# KiCad board BetetrDom.kicad_pcb
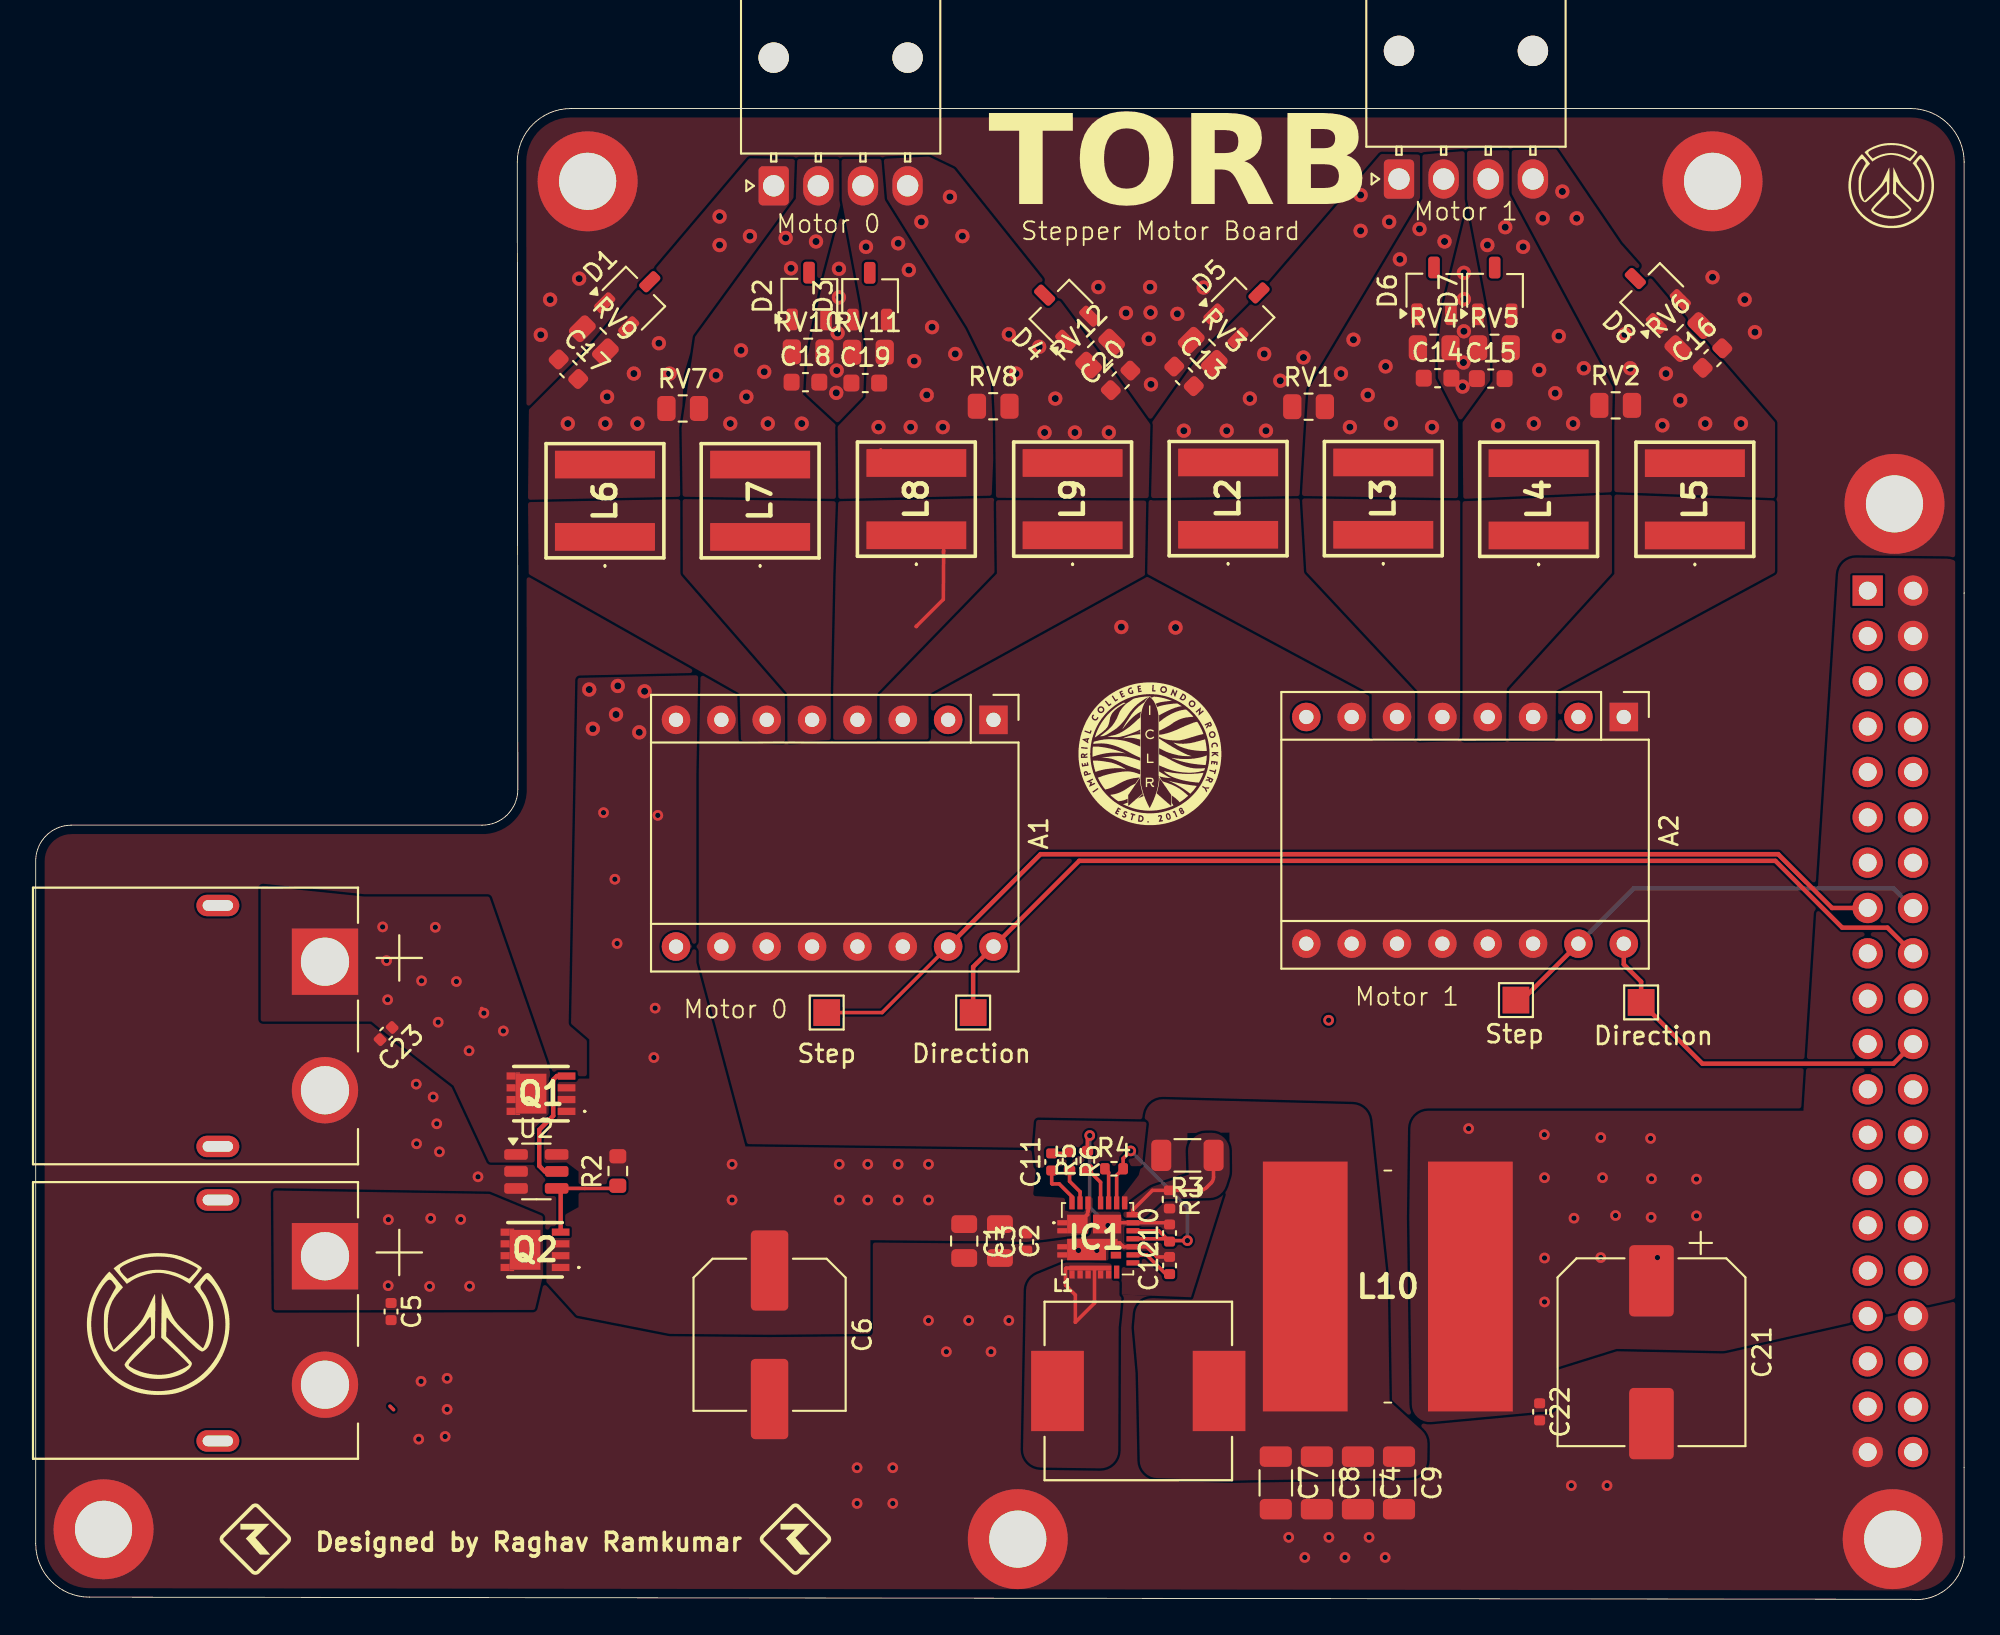
[diagram p0: board, top side]
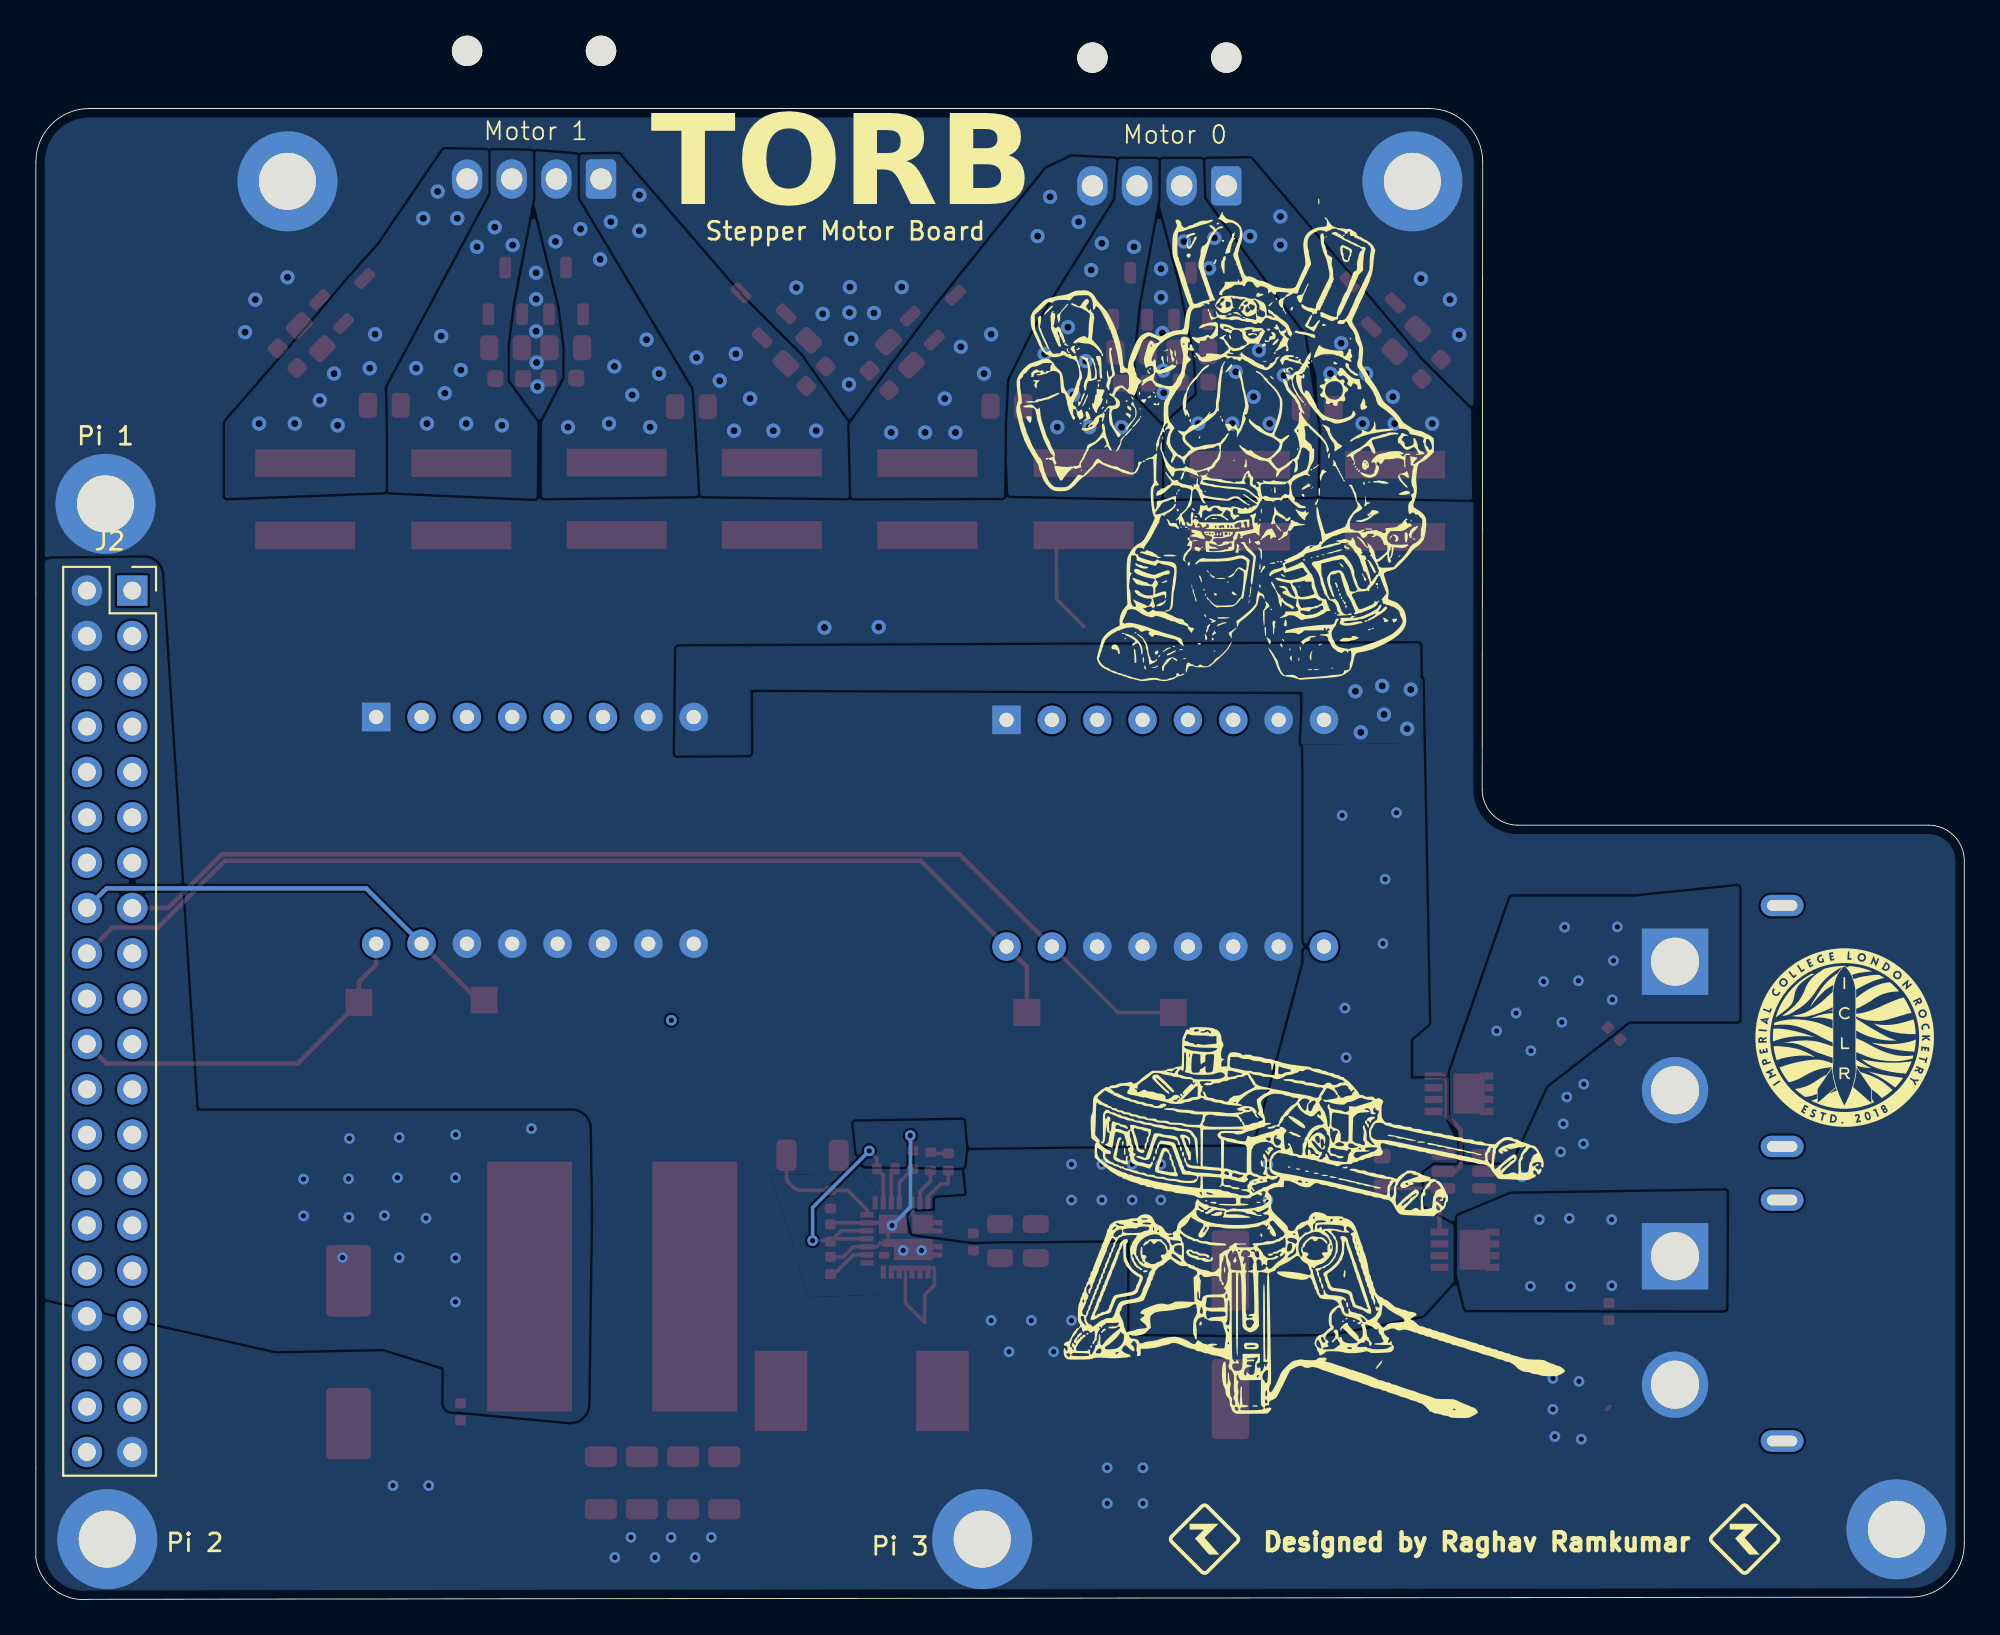
[diagram p1: board, bottom side, seen from below]

Outline 108.01 x 83.52 mm; copper layers: Top, In1.Cu, In2.Cu, Bottom. Coordinates in mm from the lower left corner of the outline.
Outline path: 108,2.37 108,80.52 arc(107.12,82.64) 105,83.52 29.97,83.52 arc(27.85,82.64) 26.97,80.52 27,45.37 arc(26.41,43.96) 25,43.37 2,43.37 arc(0.59,42.79) 0,41.37 0,3.12 arc(0.88,1) 3,0.12 105.01,0 arc(107,0.56) 108.01,2.37
Stack: Top 0.035mm / dielectric 0.2104mm FR4 er 4.5 / In1.Cu 0.0152mm / dielectric 1.065mm FR4 er 4.5 / In2.Cu 0.0152mm / dielectric 0.021mm FR4 er 4.5 / Bottom 0.035mm

## Placement (name value [footprint] x y rotation side)
A1  TMC2209BOB  [Pololu_Breakout-16_15.2x20.3mm]  53.64 49.27 270 top
A2  TMC2209BOB  [Pololu_Breakout-16_15.2x20.3mm]  88.94 49.43 270 top
C1  22uF  [C_0805_2012Metric]  52 20.07 270 top
C2  22uF  [C_0805_2012Metric]  54 20.07 270 top
C3  100nF  [C_0402_1005Metric]  55.5 20.02 90 top
C4  47uF  [C_1206_3216Metric]  74.05 6.52 270 top
C5  0.1uF  [C_0402_1005Metric]  19.9 16.12 270 top
C6  150uF  [C_Elec_8x10.2]  41.1 14.82 270 top
C7  47uF  [C_1206_3216Metric]  69.45 6.52 270 top
C8  47uF  [C_1206_3216Metric]  71.75 6.52 270 top
C9  47uF  [C_1206_3216Metric]  76.35 6.52 270 top
C10  1uF  [C_0402_1005Metric]  63.5 20.52 90 top
C11  0.1uF  [C_0402_1005Metric]  56.9 24.5 90 top
C12  2.2uF  [C_0402_1005Metric]  63.5 18.7 90 top
C13  470pF  [C_0603_1608Metric]  64.31 68.52 315 top
C14  470pF  [C_0603_1608Metric]  78.51 68.42 0 top
C15  470pF  [C_0603_1608Metric]  81.49 68.39 0 top
C16  470pF  [C_0603_1608Metric]  93.91 69.54 45 top
C17  470pF  [C_0603_1608Metric]  29.83 68.92 315 top
C18  470pF  [C_0603_1608Metric]  43.11 68.19 0 top
C19  470pF  [C_0603_1608Metric]  46.46 68.14 0 top
C20  470pF  [C_0603_1608Metric]  60.76 68.29 45 top
C21  100uF  [CP_Elec_10x10]  90.49 13.84 270 top
C22  100nF  [C_0402_1005Metric]  84.22 10.5 270 top
C23  0.1uF  [C_0402_1005Metric]  19.62 31.7 225 top
D1  D_Zener_Dual_CommonAnode_KKA  [TSOT-23]  33.46 72.89 45 top
D2  D_Zener_Dual_CommonAnode_KKA  [TSOT-23]  43.31 73.02 90 top
D3  D_Zener_Dual_CommonAnode_KKA  [TSOT-23]  46.71 73.01 90 top
D4  D_Zener_Dual_CommonAnode_KKA  [TSOT-23]  57.43 72.14 135 top
D5  D_Zener_Dual_CommonAnode_KKA  [TSOT-23]  67.58 72.27 45 top
D6  D_Zener_Dual_CommonAnode_KKA  [TSOT-23]  78.31 73.31 90 top
D7  D_Zener_Dual_CommonAnode_KKA  [TSOT-23]  81.71 73.3 90 top
D8  D_Zener_Dual_CommonAnode_KKA  [TSOT-23]  90.51 73.07 135 top
Direction  Dir2  [TestPoint_Pad_1.5x1.5mm]  89.91 33.44 0 top
Direction#2  Direction  [TestPoint_Pad_1.5x1.5mm]  52.5 32.87 0 top
G***  LOGO  [iclr_logo_estd2018_8mm]  62.4 47.37 0 top
G***#2  LOGO  [rae_logo_4mm]  42.55 3.37 0 top
G***#3  LOGO  [rae_logo_4mm]  12.3 3.37 0 top
G***#4  LOGO  [iclr_logo_estd2018_10mm]  6.7 31.47 180 bottom
G***#5  LOGO  [rae_logo_4mm]  12.3 3.37 180 bottom
G***#6  LOGO  [rae_logo_4mm]  42.55 3.37 180 bottom
H2  MountingHole_Pad  [MountingHole_3.2mm_M3_DIN965_Pad]  3.8 3.92 0 top
H3  MountingHole_Pad  [MountingHole_3.2mm_M3_DIN965_Pad]  30.91 79.44 0 top
H4  MountingHole_Pad  [MountingHole_3.2mm_M3_DIN965_Pad]  93.91 79.44 0 top
IC1  SiC437BED-T1-GE3  [SiC437BEDT1GE3]  59.47 20.2 0 top
J1  XT60PW-M  [AMASS_XT60PW-M]  10.2 15.62 90 top
J2  Raspberry_Pi_2_3  [PinSocket_2x20_P2.54mm_Vertical]  102.6 56.51 180 bottom
J4  XT60PW-M  [AMASS_XT60PW-M]  10.2 32.12 90 top
L1  3.3uH  [IND_SPM10065VT-3R3M-D]  61.75 11.67 0 top
L2  4.7uH  [MPLAL60504R7]  66.78 61.67 90 top
L3  4.7uH  [MPLAL60504R7]  75.47 61.67 90 top
L4  4.7uH  [MPLAL60504R7]  84.17 61.63 90 top
L5  4.7uH  [MPLAL60504R7]  92.92 61.63 90 top
L6  4.7uH  [MPLAL60504R7]  31.88 61.55 90 top
L7  4.7uH  [MPLAL60504R7]  40.57 61.55 90 top
L8  4.7uH  [MPLAL60504R7]  49.32 61.64 90 top
L9  4.7uH  [MPLAL60504R7]  58.07 61.64 90 top
L10  100uH  [SDR1307A101K]  75.72 17.52 0 top
Pi 1  MountingHole_Pad  [MountingHole_3.2mm_M3_DIN965_Pad]  104.1 61.37 0 top
Pi 2  MountingHole_Pad  [MountingHole_3.2mm_M3_DIN965_Pad]  104 3.37 0 top
Pi 3  MountingHole_Pad  [MountingHole_3.2mm_M3_DIN965_Pad]  55 3.37 0 top
Q1  SQS141ELNW-T1_GE3  [SQS850ENT1_GE3]  28.3 28.33 180 top
Q2  SQS141ELNW-T1_GE3  [SQS850ENT1_GE3]  27.97 19.58 180 top
R1  10kΩ  [R_0402_1005Metric]  63.5 22.4 270 top
R2  470k  [R_0603_1608Metric]  32.6 24 90 top
R3  73.2kΩ  [R_1206_3216Metric]  64.5 24.87 180 top
R4  100kΩ  [R_0402_1005Metric]  60.39 24.12 0 top
R5  100kΩ  [R_0402_1005Metric]  58.9 24.61 90 top
R6  2.2Ω  [R_0402_1005Metric]  57.9 24.53 270 top
REF**  -  [torb]  40.63 64.66 0 top
REF**#2  -  [turret]  38.5 21.57 0 top
RV1  27V-c  [R_0805_2012Metric]  71.28 66.82 0 top
RV2  27V-c  [R_0805_2012Metric]  88.49 66.89 0 top
RV3  27V-c  [R_0805_2012Metric]  65.36 69.89 315 top
RV4  27V-c  [R_0805_2012Metric]  78.32 70.12 0 top
RV5  27V-c  [R_0805_2012Metric]  81.7 70.12 0 top
RV6  27V-c  [R_0805_2012Metric]  92.61 70.72 45 top
RV7  27V-c  [R_0805_2012Metric]  36.23 66.72 0 top
RV8  27V-c  [R_0805_2012Metric]  53.62 66.84 0 top
RV9  27V-c  [R_0805_2012Metric]  31.26 70.54 315 top
RV10  27V-c  [R_0805_2012Metric]  43.26 69.89 0 top
RV11  27V-c  [R_0805_2012Metric]  46.64 69.87 0 top
RV12  27V-c  [R_0805_2012Metric]  59.61 69.79 45 top
Step  Step  [TestPoint_Pad_1.5x1.5mm]  44.3 32.87 0 top
Step   Step2  [TestPoint_Pad_1.5x1.5mm]  82.9 33.57 0 top
StepperConnector1  Screw_Terminal_01x04  [Molex_Nano-Fit_105313-xx04_1x04_P2.50mm_Horizontal]  41.33 79.19 90 top
StepperConnector2  Screw_Terminal_01x04  [Molex_Nano-Fit_105313-xx04_1x04_P2.50mm_Horizontal]  76.35 79.57 90 top
U2  LTC4412xS6  [TSOT-23-6]  28.04 23.97 0 top

## Library data of the parts
A1 A2 = -: Datasheet: https://www.pololu.com/product/2980/pictures; ki_fp_filters: Pololu*Breakout*15.2x20.3mm*
C1-C5 C7-C23 = -: Description: Unpolarized capacitor, small symbol; ki_fp_filters: C_*
C6 = -: ki_fp_filters: C_*
D1-D8 = -: Description: Dual Zener diode, common anode on pin 3; ki_fp_filters: SOT* SC*
Direction Direction#2 Step Step  = -: ki_fp_filters: Pin* Test*
H2-H4 Pi 1-Pi 3 = -: ki_fp_filters: MountingHole*Pad*
IC1 = -: Datasheet: https://componentsearchengine.com/Datasheets/1/SiC437BED-T1-GE3.pdf; Description: Switching Voltage Regulators 3-28V 12A 50uA microBUCK MLP44-24; Height: 0.8; Manufacturer_Name: Vishay; Mouser Part Number: 78-SIC437BED-T1-GE3; Mouser Price/Stock: https://www.mouser.co.uk/ProductDetail/Vishay-Siliconix/SiC437BED-T1-GE3?qs=chTDxNqvsyntp1SKlnHzGA%3D%3D; Arrow Part Number: SIC437BED-T1-GE3; Arrow Price/Stock: https://www.arrow.com/en/products/sic437bed-t1-ge3/vishay
J1 J4 = -: STANDARD: Manufacturer recommendations; MANUFACTURER: AMASS; PARTREV: V1.2; MAXIMUM_PACKAGE_HEIGHT: 8.4 mm
J2 = -: Datasheet: https://www.raspberrypi.org/documentation/hardware/raspberrypi/schematics/rpi_SCH_3bplus_1p0_reduced.pdf; ki_fp_filters: PinHeader*2x20*P2.54mm*Vertical* PinSocket*2x20*P2.54mm*Vertical*
L1-L10 = -: Description: Inductor; ki_fp_filters: Choke_* *Coil* Inductor_* L_*
Q1 Q2 = -: Datasheet: https://www.mouser.it/ProductDetail/Vishay-Semiconductors/SQS141ELNW-T1_GE3?qs=t7xnP681wgUUJh1P9XVDHQ%3D%3D; Description: Automotive P-Channel 40 V (D-S) 175 C MOSFET; Height: 1.12; Manufacturer_Name: Vishay; Mouser Part Number: 78-SQS141ELNW-T1_GE3; Mouser Price/Stock: https://www.mouser.co.uk/ProductDetail/Vishay-Semiconductors/SQS141ELNW-T1_GE3?qs=t7xnP681wgUUJh1P9XVDHQ%3D%3D; Arrow Price/Stock: https://www.arrow.com/en/products/sqs141elnw-t1-ge3/vishay?region=nac
R1 R3-R6 = -: Description: Resistor, small symbol; ki_fp_filters: R_*
R2 = -: ki_fp_filters: R_*
RV1-RV12 = -: Description: Voltage dependent resistor; Sim.Name: kicad_builtin_varistor; Sim.Device: SUBCKT; Sim.Pins: 1=A 2=B; Sim.Params: threshold=1k; ki_fp_filters: RV_* Varistor*
StepperConnector1 StepperConnector2 = -: ki_fp_filters: TerminalBlock*:*
U2 = -: Datasheet: https://www.analog.com/media/en/technical-documentation/data-sheets/4412fb.pdf; ki_fp_filters: TSOT?23*

## Footprints (pads in the part's own frame, mm; a bottom-side part is the same pattern mirrored in y, then rotated)
AMASS_XT60PW-M
  rect 3.716x3.716 hole 2.7: 1(3.6,-6)
  round 3.716 hole 2.7: 2(-3.6,-6)
  oval 1.2x2.4 hole 0.6x1.7: S1(6.75,0) S2(-6.75,0)
C_0402_1005Metric
  rrect 0.56x0.62 smd: 1(-0.48,0) 2(0.48,0)
C_0603_1608Metric
  rrect 0.9x0.95 smd: 1(-0.775,0) 2(0.775,0)
C_0805_2012Metric
  rrect 1x1.45 smd: 1(-0.95,0) 2(0.95,0)
C_1206_3216Metric
  rrect 1.15x1.8 smd: 1(-1.475,0) 2(1.475,0)
C_Elec_8x10.2
  rrect 4.5x2.1 smd: 1(-3.6,0) 2(3.6,0)
CP_Elec_10x10
  rrect 4x2.5 smd: 1(-4,0) 2(4,0)
IND_SPM10065VT-3R3M-D
  rect 2.95x4.5 smd: 1(-4.525,0) 2(4.525,0)
Molex_Nano-Fit_105313-xx04_1x04_P2.50mm_Horizontal
  round 1.7 hole 1.7 unplated: (7.18,0) (7.18,-7.5)
  rrect 2.2x1.7 hole 1.2: 1(0,0)
  oval 2.2x1.7 hole 1.2: 2(0,-2.5) 3(0,-5) 4(0,-7.5)
MountingHole_3.2mm_M3_DIN965_Pad
  round 5.6 hole 3.2: 1(0,0)
MPLAL60504R7
  rect 1.55x5.6 smd: 1(-2.025,0) 2(2.025,0)
PinSocket_2x20_P2.54mm_Vertical
  rect 1.7x1.7 hole 1: 1(0,0)
  oval 1.7x1.7 hole 1: 2(-2.54,0) 3(0,-2.54) 4(-2.54,-2.54) 5(0,-5.08) 6(-2.54,-5.08) 7(0,-7.62) 8(-2.54,-7.62) 9(0,-10.16) 10(-2.54,-10.16) 11(0,-12.7) 12(-2.54,-12.7) 13(0,-15.24) 14(-2.54,-15.24) 15(0,-17.78) 16(-2.54,-17.78) 17(0,-20.32) 18(-2.54,-20.32) 19(0,-22.86) 20(-2.54,-22.86) 21(0,-25.4) 22(-2.54,-25.4) 23(0,-27.94) 24(-2.54,-27.94) 25(0,-30.48) 26(-2.54,-30.48) 27(0,-33.02) 28(-2.54,-33.02) 29(0,-35.56) 30(-2.54,-35.56) 31(0,-38.1) 32(-2.54,-38.1) 33(0,-40.64) 34(-2.54,-40.64) 35(0,-43.18) 36(-2.54,-43.18) 37(0,-45.72) 38(-2.54,-45.72) 39(0,-48.26) 40(-2.54,-48.26)
Pololu_Breakout-16_15.2x20.3mm
  rect 1.6x1.6 hole 0.8: 1(0,0)
  oval 1.6x1.6 hole 0.8: 2(0,-2.54) 3(0,-5.08) 4(0,-7.62) 5(0,-10.16) 6(0,-12.7) 7(0,-15.24) 8(0,-17.78) 9(12.7,-17.78) 10(12.7,-15.24) 11(12.7,-12.7) 12(12.7,-10.16) 13(12.7,-7.62) 14(12.7,-5.08) 15(12.7,-2.54) 16(12.7,0)
R_0402_1005Metric
  rrect 0.54x0.64 smd: 1(-0.51,0) 2(0.51,0)
R_0603_1608Metric
  rrect 0.8x0.95 smd: 1(-0.825,0) 2(0.825,0)
R_0805_2012Metric
  rrect 1.025x1.4 smd: 1(-0.912,0) 2(0.912,0)
R_1206_3216Metric
  rrect 1.125x1.75 smd: 1(-1.462,0) 2(1.462,0)
SDR1307A101K
  rect 4.75x14 smd: 1(-4.625,0) 2(4.625,0)
SiC437BEDT1GE3
  rect 0.55x0.3 smd: 1(-1.981,0.894) 2(-1.981,0.444) 3(-1.981,-0.456) 4(-1.981,-0.906)
  rect 0.3x0.45 smd: 5(-1.431,-2.006) 6(-0.981,-2.006) 7(-0.531,-2.006) 8(0.169,-2.006) 9(0.619,-2.006)
  rect 0.3x0.725 smd: 10(1.069,-1.869) 18(1.519,2.006) 19(1.069,2.006) 20(0.619,2.006) 21(0.169,2.006) 22(-0.531,2.006) 23(-0.981,2.006) 24(-1.431,2.006)
  rect 0.725x0.3 smd: 11(1.981,-1.356) 12(1.981,-0.906) 13(1.981,-0.456) 14(1.981,-0.006) 15(1.981,0.444) 16(1.981,0.894) 17(1.981,1.344)
  rect 1.575x1.05 smd: 25(0.531,0.819)
  rect 1.15x1.05 smd: 26(-1.131,0.819)
  rect 2.175x1.2 smd: 27(-0.619,-0.606)
  rect 0.58x0.38 smd: 28(1.029,-0.921)
  rect 0.65x0.455 smd: 29(0.794,-0.234)
  rect 2.35x0.275 smd: 30(-0.406,-1.644)
SQS850ENT1_GE3
  rect 0.99x0.405 smd: 1(-1.435,0.99) 2(-1.435,0.33) 3(-1.435,-0.33) 4(-1.435,-0.99)
  rect 0.51x0.405 smd: 5(1.675,-0.99) 6(1.675,-0.33) 7(1.675,0.33) 8(1.675,0.99)
  rect 1.725x2.235 smd: 9(0.557,0)
  rect 0.25x0.077 smd: 10(1.295,-1.156) 11(1.295,1.156)
TestPoint_Pad_1.5x1.5mm
  rect 1.5x1.5 smd: 1(0,0)
TSOT-23
  rrect 1.22x0.65 smd: 1(-1.31,0.95) 2(-1.31,-0.95) 3(1.31,0)
TSOT-23-6
  rrect 1.325x0.6 smd: 1(-1.137,0.95) 2(-1.137,0) 3(-1.137,-0.95) 4(1.137,-0.95) 5(1.137,0) 6(1.137,0.95)

## Nets
+3V3: A1.2 A2.2 J2.1 J2.17
/power/VDD: C10.1 IC1.14 IC1.15 IC1.19 R4.2
GND: A1.1 A1.7 A1.9 A1.10 A1.11 A1.12 A1.13 A1.14 A2.1 A2.7 A2.9 A2.10 A2.11 A2.12 A2.13 A2.14 C1.2 C2.2 C3.1 C4.2 C5.2 C6.2 C7.2 C8.2 C9.2 C10.2 C12.2 C13.1 C14.2 C15.1 C16.2 C17.1 C18.2 C19.1 C20.2 C21.2 C22.2 C23.2 D1.1 D2.2 D3.1 D4.2 D5.1 D6.2 D7.1 D8.2 H2.1 H3.1 H4.1 IC1.3 IC1.4 IC1.13 IC1.16 IC1.25 IC1.27 IC1.29 J1.2 J2.6 J2.9 J2.14 J2.20 J2.25 J2.30 J2.34 J2.39 J4.2 Pi 1.1 Pi 2.1 Pi 3.1 R1.2 R5.2 RV3.1 RV4.2 RV5.1 RV6.2 RV9.1 RV10.2 RV11.1 RV12.2 U2.2 U2.3
/Dir1: A1.16 Direction#2.1 J2.18
/Dir2: A2.16 Direction.1 J2.22
/power/+BATTV: C5.1 J1.1 Q2.5 Q2.6 Q2.7 Q2.8 Q2.9 Q2.10 Q2.11
/power/+V_BUCK: C21.1 C22.1 J2.2 J2.4 L10.2
/power/BOOT: IC1.23 R6.2
/power/msft1: Q1.4 U2.5
/power/msft2: Q2.4 R2.1 U2.4
/power/PHASE: C11.1 IC1.24
/power/SW: IC1.5 IC1.6 IC1.7 IC1.8 IC1.9 IC1.30 L1.1
/power/V_BASE: C23.1 J4.1 Q1.5 Q1.6 Q1.7 Q1.8 Q1.9 Q1.10 Q1.11 U2.1
/power/V_DRV: C12.1 IC1.12
/power/V_OUT: C4.1 C7.1 C8.1 C9.1 IC1.18 L1.2 L10.1 R3.2
/Step1: A1.15 J2.15 Step.1
/Step2: A2.15 J2.16 Step .1
/StepperA/1A: A1.5 L7.1
/StepperA/1B: A1.4 L8.1
/StepperA/2A: A1.6 L6.1
/StepperA/2B: A1.3 L9.1
/StepperA/MA1: C18.1 D2.1 L7.2 RV7.2 RV10.1 StepperConnector1.2
/StepperA/MA2: C17.2 D1.2 L6.2 RV7.1 RV9.2 StepperConnector1.1
/StepperA/MB1: C19.2 D3.2 L8.2 RV8.1 RV11.2 StepperConnector1.3
/StepperA/MB2: C20.1 D4.1 L9.2 RV8.2 RV12.1 StepperConnector1.4
/StepperB/1A: A2.5 L3.1
/StepperB/1B: A2.4 L4.1
/StepperB/2A: A2.6 L2.1
/StepperB/2B: A2.3 L5.1
/StepperB/MA1: C14.1 D6.1 L3.2 RV1.2 RV4.1 StepperConnector2.2
/StepperB/MA2: C13.2 D5.2 L2.2 RV1.1 RV3.2 StepperConnector2.1
/StepperB/MB1: C15.2 D7.2 L4.2 RV2.1 RV5.2 StepperConnector2.3
/StepperB/MB2: C16.1 D8.1 L5.2 RV2.2 RV6.1 StepperConnector2.4
VMAIN: A1.8 A2.8 C1.1 C2.1 C3.2 C6.1 IC1.1 IC1.2 IC1.22 IC1.26 Q1.1 Q1.2 Q1.3 Q2.1 Q2.2 Q2.3 R2.2 U2.6
Net-(C11-Pad2): C11.2 R6.1
Net-(IC1-_MODE_1): IC1.21 R5.1
Net-(IC1-FB): IC1.17 R1.1 R3.1
Net-(IC1-MODE_2): IC1.20 R4.1

Pads without a net: D1 3; D2 3; D3 3; D4 3; D5 3; D6 3; D7 3; D8 3; IC1 10 11 28; J1 S1 S2; J2 3 5 7 8 10 11 12 13 19 21 23 24 26 27 28 29 31 32 33 35 36 37 38 40; J4 S1 S2

## Via types
v1: diameter 0.6, hole 0.3, Top to Bottom, 83 vias
v2: diameter 0.8, hole 0.4, Top to Bottom, 112 vias

## Routing (per net, layer and track width the routed paths; a pad name or vN(x,y) marks a point on that pad's centre or on a via; arc(x,y) is an arc through that point)
+3V3:
  vias: v1(72.41,32.44)
/power/VDD: length 15
  Top w0.2: IC1.14 63.34,20.2 C10.1 ; C10.1 63.56,20.1 v1(64.5,20.1) ; C10.1 62.89,20.65 IC1.15 ; v1(61.33,25.12) 60.9,24.7 R4.2 60.54,23.76 IC1.19
  Bottom w0.2: v1(61.33,25.12) 64.5,21.95 v1(64.5,20.1)
GND: length 16.3
  Top w0.2: 61.45,21.1 63.41,21.1 C10.2 63.5,21.05 ; 60.26,19.97 60.26,19.86 ; 60.26,19.97 60.7,19.97 60.92,19.75 IC1.13 62.23,19.75 62.79,19.18 C12.2 ; 60.26,19.97 60.26,20.76 60.08,20.95 60.06,20.95 v1(60.05,20.94) 60.05,20.95 59.97,20.95 59.97,21.05 IC1.25 60.58,21.02 60.65,21.1 61.05,21.1 ; R5.2 58.9,25.85 v1(59.03,25.98) ; J1.2 17.42,10.8
  Bottom w0.2: v1(60.05,20.94) 59.02,21.97 59.02,25.97 v1(59.03,25.98)
  vias: v1(21.31,28.86) v1(21.33,25.52) v1(21.45,8.97) v1(21.58,12.21) v1(22.26,28.14) v1(22.46,26.64) v1(22.61,25.07) v1(22.93,9.12) v1(23.04,12.38) v1(23.04,10.64) v1(24.77,23.67) v1(46,7.37) v1(46,5.37) v1(48,7.37) v1(48,5.37) v1(50,15.62) v1(51,13.87) v1(52.25,15.62) v1(53.5,13.87) v1(54.5,15.62) v1(58.4,19.55) v1(59.42,19.55) v1(70.17,3.47) v1(71.08,2.35) v1(72.42,3.47) v1(73.33,2.35) v1(74.67,3.47) v1(75.58,2.35) v1(86,6.37) v1(88,6.37) v2(28.28,70.84) v2(28.81,72.82) v2(30.44,73.99) v2(44.83,67.59) v2(44.91,70.94) v2(44.86,68.84) v2(44.98,74.54) v2(44.98,72.94) v2(59.51,73.52) v2(60.8,54.47) v2(61.06,72.07) v2(62.33,70.62) v2(62.41,73.52) v2(62.44,72.09) v2(62.46,68.07) v2(63.83,54.44) v2(63.94,72.02) v2(65.41,73.49) v2(79.91,67.94) v2(79.99,74.32) v2(79.99,72.84) v2(79.99,71.04) v2(79.96,69.29) v2(93.91,74.07) v2(95.71,72.82) v2(96.28,70.99)
(no net): length 0.3
  Top w0.2: 19.84,10.82 20.04,10.62
/Dir1: length 60.5
  Top w0.2: 53.15,36.08 A1.16
  Top w0.25: Direction#2.1 52.5,35.43 A1.16 58.44,41.37 97.43,41.37 101.17,37.63 103.7,37.63 J2.18
/Dir2: length 20.8
  Top w0.25: A2.16 88.94,35.57 89.91,34.6 Direction.1 93.34,30.01 104.04,30.01 J2.22
/power/+BATTV:
  vias: v1(19.74,17.57) v1(19.75,21.27) v1(22.12,21.34) v1(22.06,17.53) v1(23.8,21.28) v1(24.3,17.54)
/power/+V_BUCK:
  vias: v1(80.25,26.37) v1(84.49,26.03) v1(84.5,23.62) v1(84.5,19.12) v1(84.5,16.66) v1(86.15,21.35) v1(87.65,25.87) v1(87.65,19.15) v1(87.75,23.62) v1(88.48,21.5) v1(90.44,25.82) v1(90.49,23.56) v1(90.47,21.4) v1(90.82,19.15) v1(93.01,23.54) v1(93.01,21.48)
/power/BOOT: length 2.1
  Top w0.2: R6.2 57.9,23.42 58.49,22.83 IC1.23
/power/msft1: length 7.1
  Top w0.25: Q1.4 29.19,29.32 28.98,29.11 28.98,27.09 28.2,26.31 28.2,24.28 28.51,23.97 U2.5
/power/msft2: length 6
  Top w0.2: U2.4 32.45,23.02 R2.1
  Top w0.25: Q2.4 29.4,22.8 U2.4
/power/PHASE: length 2.5
  Top w0.2: IC1.24 58.04,22.56 57.33,23.27 56.92,23.27 56.9,23.3 C11.1
/power/SW: length 8.3
  Top w0.2: 58.22,17.05 58.22,15.52 59.3,16.6 59.3,18.55 59.29,18.56 57.71,18.56 57.67,18.52 57.67,17.6 58.22,17.05
/power/V_BASE: length 0.9
  Top w0.2: 26.23,31.84 v1(26.19,31.84) 26.19,31.88 ; 23.46,34.61 v1(23.56,34.61) 23.56,34.51 ; 25.23,32.84 v1(25.1,32.84) 25.1,32.97 24.97,33.1 25,33.07 ; 19.59,35.72 v1(19.65,35.78) 19.71,35.72
  vias: v1(19.43,37.67) v1(19.71,33.59) v1(21.61,34.65) v1(22.38,37.65) v1(22.54,32.33) v1(24.27,30.73)
/power/V_DRV: length 2.5
  Top w0.2: IC1.12 62.22,19.3 63.29,18.22 C12.1
/Step1: length 114
  Top w0.2: Step.1 47.4,32.87 A1.15 56.25,41.72 97.58,41.72 99.1,40.19
  Top w0.25: A1.15 56.28,41.75 97.59,41.75 100.6,38.73 J2.15
/Step2: length 25.3
  Top w0.25: A2.15 83.24,33.57 Step .1
  Bottom w0.25: J2.16 104.04,39.83 89.5,39.83 A2.15
/StepperA/1B: length 5
  Top w0.2: 50.83,58.65 50.85,58.77 50.83,56.02 49.32,54.51 49.32,54.5 49.31,54.5
/StepperA/MA1:
  vias: v2(38.1,68.57) v2(38.9,65.87) v2(39.5,69.97) v2(39.8,67.37) v2(40.8,68.77) v2(41,65.87) v2(42,76.27) v2(42.3,74.57) v2(42.9,65.87) v2(43.7,76.07)
/StepperA/MA2:
  vias: v2(29.8,65.87) v2(31.9,65.87) v2(32,67.37) v2(33.5,68.67) v2(33.7,65.87) v2(34.9,70.37) v2(35.5,68.67) v2(38.3,77.47) v2(38.3,75.87) v2(40,76.37)
/StepperA/MB1: length 0.1
  Top w0.2: 47.32,64.4 47.26,64.34
  vias: v2(46.5,75.77) v2(47.2,65.67) v2(48.3,75.97) v2(48.9,74.47) v2(49,65.67) v2(49.2,69.37) v2(49.9,67.47) v2(50.2,71.27) v2(50.8,65.67) v2(51.5,69.77)
/StepperA/MB2:
  vias: v2(49.6,77.17) v2(51.2,78.57) v2(51.9,76.37) v2(54.5,70.87) v2(54.9,68.67) v2(56.2,70.17) v2(56.5,65.37) v2(57.1,67.27) v2(58.2,65.37) v2(60.1,65.37)
/StepperB/MA1:
  vias: v2(73.1,68.67) v2(73.6,65.67) v2(73.8,70.57) v2(74.6,67.47) v2(75.6,69.07) v2(75.9,65.87) v2(76.4,75.07) v2(77.5,76.77) v2(78.2,65.67) v2(78.9,76.07)
/StepperB/MA2:
  vias: v2(64.3,65.47) v2(66.7,65.47) v2(68,67.27) v2(68.8,69.77) v2(68.9,65.47) v2(69.7,68.27) v2(71,69.57) v2(74.2,78.67) v2(74.2,76.67) v2(75.8,77.17)
/StepperB/MB1:
  vias: v2(81.3,75.87) v2(81.9,65.77) v2(82.3,76.87) v2(83.3,75.77) v2(83.9,65.87) v2(84.2,68.87) v2(85.1,67.57) v2(85.3,70.77) v2(86.1,65.87) v2(86.7,68.97)
/StepperB/MB2:
  vias: v2(84.4,77.37) v2(85.5,78.87) v2(86.3,77.37) v2(89,70.87) v2(89.3,68.97) v2(91.1,65.77) v2(91.3,68.67) v2(92.1,67.17) v2(93.5,65.87) v2(95.5,65.87)
VMAIN: length 1.6
  Top w0.2: 32.5,24.92 R2.2 ; IC1.26 58.35,21.02 58.87,21.55 58.91,21.55 58.91,21.71 58.94,21.73 IC1.22
  vias: v1(31.8,44.07) v1(32.44,40.34) v1(32.56,36.74) v1(34.62,30.35) v1(34.69,33.12) v1(34.84,43.92) v1(39,24.37) v1(39,22.37) v1(45,24.37) v1(45,22.37) v1(46.6,24.37) v1(46.6,22.37) v1(48.3,24.37) v1(48.3,22.37) v1(50,24.37) v1(50,22.37) v2(31,50.97) v2(31.2,48.77) v2(32.5,49.57) v2(32.6,51.17) v2(33.8,48.57) v2(34.1,50.87)
Net-(C11-Pad2): length 1
  Top w0.2: C11.2 57.84,24.98 R6.1
Net-(IC1-_MODE_1): length 2.2
  Top w0.2: IC1.21 59.64,23.36 R5.1
Net-(IC1-FB): length 6.8
  Top w0.2: R3.1 65.96,23.65 arc(65.93,23.47) 65.83,23.33 65.58,23.07 arc(65.4,22.95) 65.19,22.91 R1.1 62.54,22.91 61.45,21.82 IC1.17
Net-(IC1-MODE_2): length 2
  Top w0.2: R4.1 60.09,23.91 IC1.20

## Copper pours and planes (outline as drawn; the poured copper is in the pictures)
+3V3 on In2.Cu: 161,23.37 161,96.37 26.8,96.27 27,45.37 25,43.37 0,43.37 0,-1.63 117,-0.63
GND on Top, Bottom: 64.7,16.92 66.88,23.82 64.58,23.8 63.2,22.42 61.95,21.22 60.88,21.4 60.78,22.67 61.65,23.82 62.22,26 56.3,25.65 56,22.72 60.88,22.42 60.83,17.07
GND on Top, Bottom: -8.7,102.77 -8.45,-3.23 158.8,-1.82 158.05,101.18 -8.5,102.12
GND on In1.Cu: 159.81,95.61 26.68,95.95 27,45.37 25,43.37 0,43.37 -0.25,-0.38 159.88,0.28
(no net) on Top, Bottom: 55.9,25.22 56.04,26.86 62.22,26.76 61.95,24.27 56.02,24.17
/power/+BATTV on Top, Bottom: 13.3,22.9 25.41,22.71 28.4,21.47 28.42,18.17 27.95,16.21 13.34,16.19 13.3,22.86
/power/+V_BUCK on Top, Bottom: 99,27.37 77,27.37 76.92,21.37 77.08,9.83 84.22,10.5 85.18,10.52 85.15,12.97 88.53,14.03 94.55,13.9 109.5,17.27 109.5,58.27 101,58.37
/power/SW on Top: 57.72,18.9 60.83,18.82 60.83,17.07 60.72,15.95 60.65,15.22 60.62,7.32 55.28,7.4 55.47,17.97
/power/V_BASE on Top, Bottom: 18.4,39.37 25.4,39.37 28.8,29.57 28.8,27.17 28,25.37 28,24.47 25.4,24.47 23.4,28.77 19.62,31.7 18.8,32.37 12.6,32.37 12.6,39.97
/power/V_OUT on Top: 64.5,24.87 64.58,23.8 62.47,23.1 61.22,21.9 60.78,21.85 60.78,22.67 61.65,23.82 62.26,28.04 74.64,27.72 75.72,17.52 75.83,11.1 77.95,9.17 77.92,6.82 68.08,6.67 67.03,6.65 61.85,6.82 61.75,11.67 61.72,12.7 61.5,15.22 61.65,16.85 64.7,16.92 66.88,23.82 66.85,26.15 64.5,26.12
/StepperA/1A on Top: 42.1,48.01 44.66,48.15 44.66,50.75 44.8,57.39 44.95,61.65 36.23,61.77 36.24,57.46 42.09,50.74
/StepperA/1B on Top: 44.8,57.39 44.66,50.75 44.66,48.15 47.26,48.16 47.26,50.69 53.83,57.47 53.78,61.71 44.95,61.65
/StepperA/2A on Top: 39.5,48.09 39.42,50.74 27.61,57.43 27.57,61.6 36.23,61.77 36.24,57.46 42.09,50.74 42.1,48.01
/StepperA/2B on Top: 47.26,48.16 50.01,48.17 50,50.69 62.25,57.44 62.33,61.69 53.78,61.71 53.83,57.47 47.26,50.69
/StepperA/MA1 on Top, Bottom: 36.17,65.63 36.23,61.77 44.95,61.65 44.91,65.71 42.97,67.5 43.08,69.59 43.96,73.94 45.14,78.4 45.13,80.69 42.65,80.69 42.57,78.47 36.93,70.74
/StepperA/MA2 on Top, Bottom: 30.41,69.44 27.62,66.65 27.57,61.6 36.23,61.77 36.17,65.63 36.29,68.58 36.93,70.74 42.57,78.47 42.65,80.69 39.96,80.73 34.41,74.19
/StepperA/MB1 on Top, Bottom: 46.47,67.33 44.91,65.71 44.95,61.65 53.54,61.83 53.71,65.83 53.61,68.34 52.15,71.2 47.68,78.45 47.49,80.7 45.13,80.69 45.14,78.4 46.23,72.52 46.56,69.44
/StepperA/MB2 on Top, Bottom: 53.61,68.34 53.73,65.88 53.78,61.71 62.33,61.69 62.43,65.82 60.21,68.94 57.46,72.62 51.43,80.15 50.01,80.83 47.49,80.7 47.68,78.45 52.17,71.25
/StepperB/1A on Top: 77.38,48.13 79.99,48.23 80.01,50.96 79.95,61.65 70.91,61.81 71.16,57.56 77.38,50.9
/StepperB/1B on Top: 79.89,48.13 82.48,48.16 82.51,50.96 88.41,57.44 88.41,62.03 79.91,61.55 79.91,50.86
/StepperB/2A on Top: 74.89,48.21 77.49,48.19 77.48,50.9 71.16,57.56 70.91,61.81 62.33,61.69 62.25,57.44 74.82,50.69 74.82,48.17 74.88,48.16
/StepperB/2B on Top: 82.48,48.16 85.11,48.19 85.14,50.89 97.41,57.53 97.41,61.69 88.41,62.03 88.41,57.44 82.51,50.96
/StepperB/MA1 on Top, Bottom: 70.91,61.81 79.66,61.69 79.66,65.94 78.4,68.39 78.38,70.09 78.66,72.37 80.16,78.44 80.16,81.15 77.66,80.94 77.66,78.47 71.28,67.79 71.16,65.94
/StepperB/MA2 on Top, Bottom: 62.33,61.69 70.91,61.81 71.16,65.94 71.28,67.79 77.66,78.47 77.66,80.94 75.34,80.97 68.41,72.94 65.16,69.69 62.43,65.82 62.41,63.19
/StepperB/MB1 on Top, Bottom: 79.95,61.65 88.41,62.03 88.41,65.69 88.46,67.94 82.66,78.75 82.66,81.19 80.16,81.15 80.16,78.44 81.31,72.44 81.59,70.24 81.59,68.24 79.91,65.94
/StepperB/MB2 on Top, Bottom: 88.41,62.03 97.41,61.69 97.41,65.94 93.16,70.84 90.56,73.92 88.76,75.94 85.16,81.24 82.66,81.19 82.66,78.75 88.46,67.94 88.41,65.69
VMAIN on Top, Bottom: 39.75,25.37 37,35.67 37,46.27 37.1,51.77 30.35,51.62 29.98,32.24 31,31.37 31,29.17 29,29.17 29,26.77 28.4,25.66 28.4,24.44 29.72,24.48 30.4,23.97 30.4,21.97 28.6,20.97 28.6,17.77 30.31,15.89 35.5,14.87 41.1,14.82 46.75,14.87 46.75,20.12 52,20.07 54,20.07 55.5,20.02 58.95,20.47 59.2,21.67 59.2,22.58 58.7,22.6 58.7,21.71 57.65,21.77 57.65,22.67 56,22.72 56.63,25.15
VMAIN on Bottom: 37.16,47.87 30.41,47.99 30.47,53.56 72.13,53.38 72.21,47.27 67.95,47.3 67.97,50.96 37,50.84
Net-(IC1-FB) on Top: 60.78,21.85 60.88,21.4 61.95,21.22 63.2,22.42 66.45,22.5 66.88,23.82 66.85,26.15 64.5,26.12 64.58,23.8 62.47,23.1

## Text on the board
B.Silkscreen: Motor 0 | Motor 1 | Stepper Motor Board | Designed by Raghav Ramkumar | TORB
F.Silkscreen: Motor 0 | Stepper Motor Board | Motor 1 | Designed by Raghav Ramkumar | TORB
